# Altium PCB PCB20230301.PcbDoc (continued)
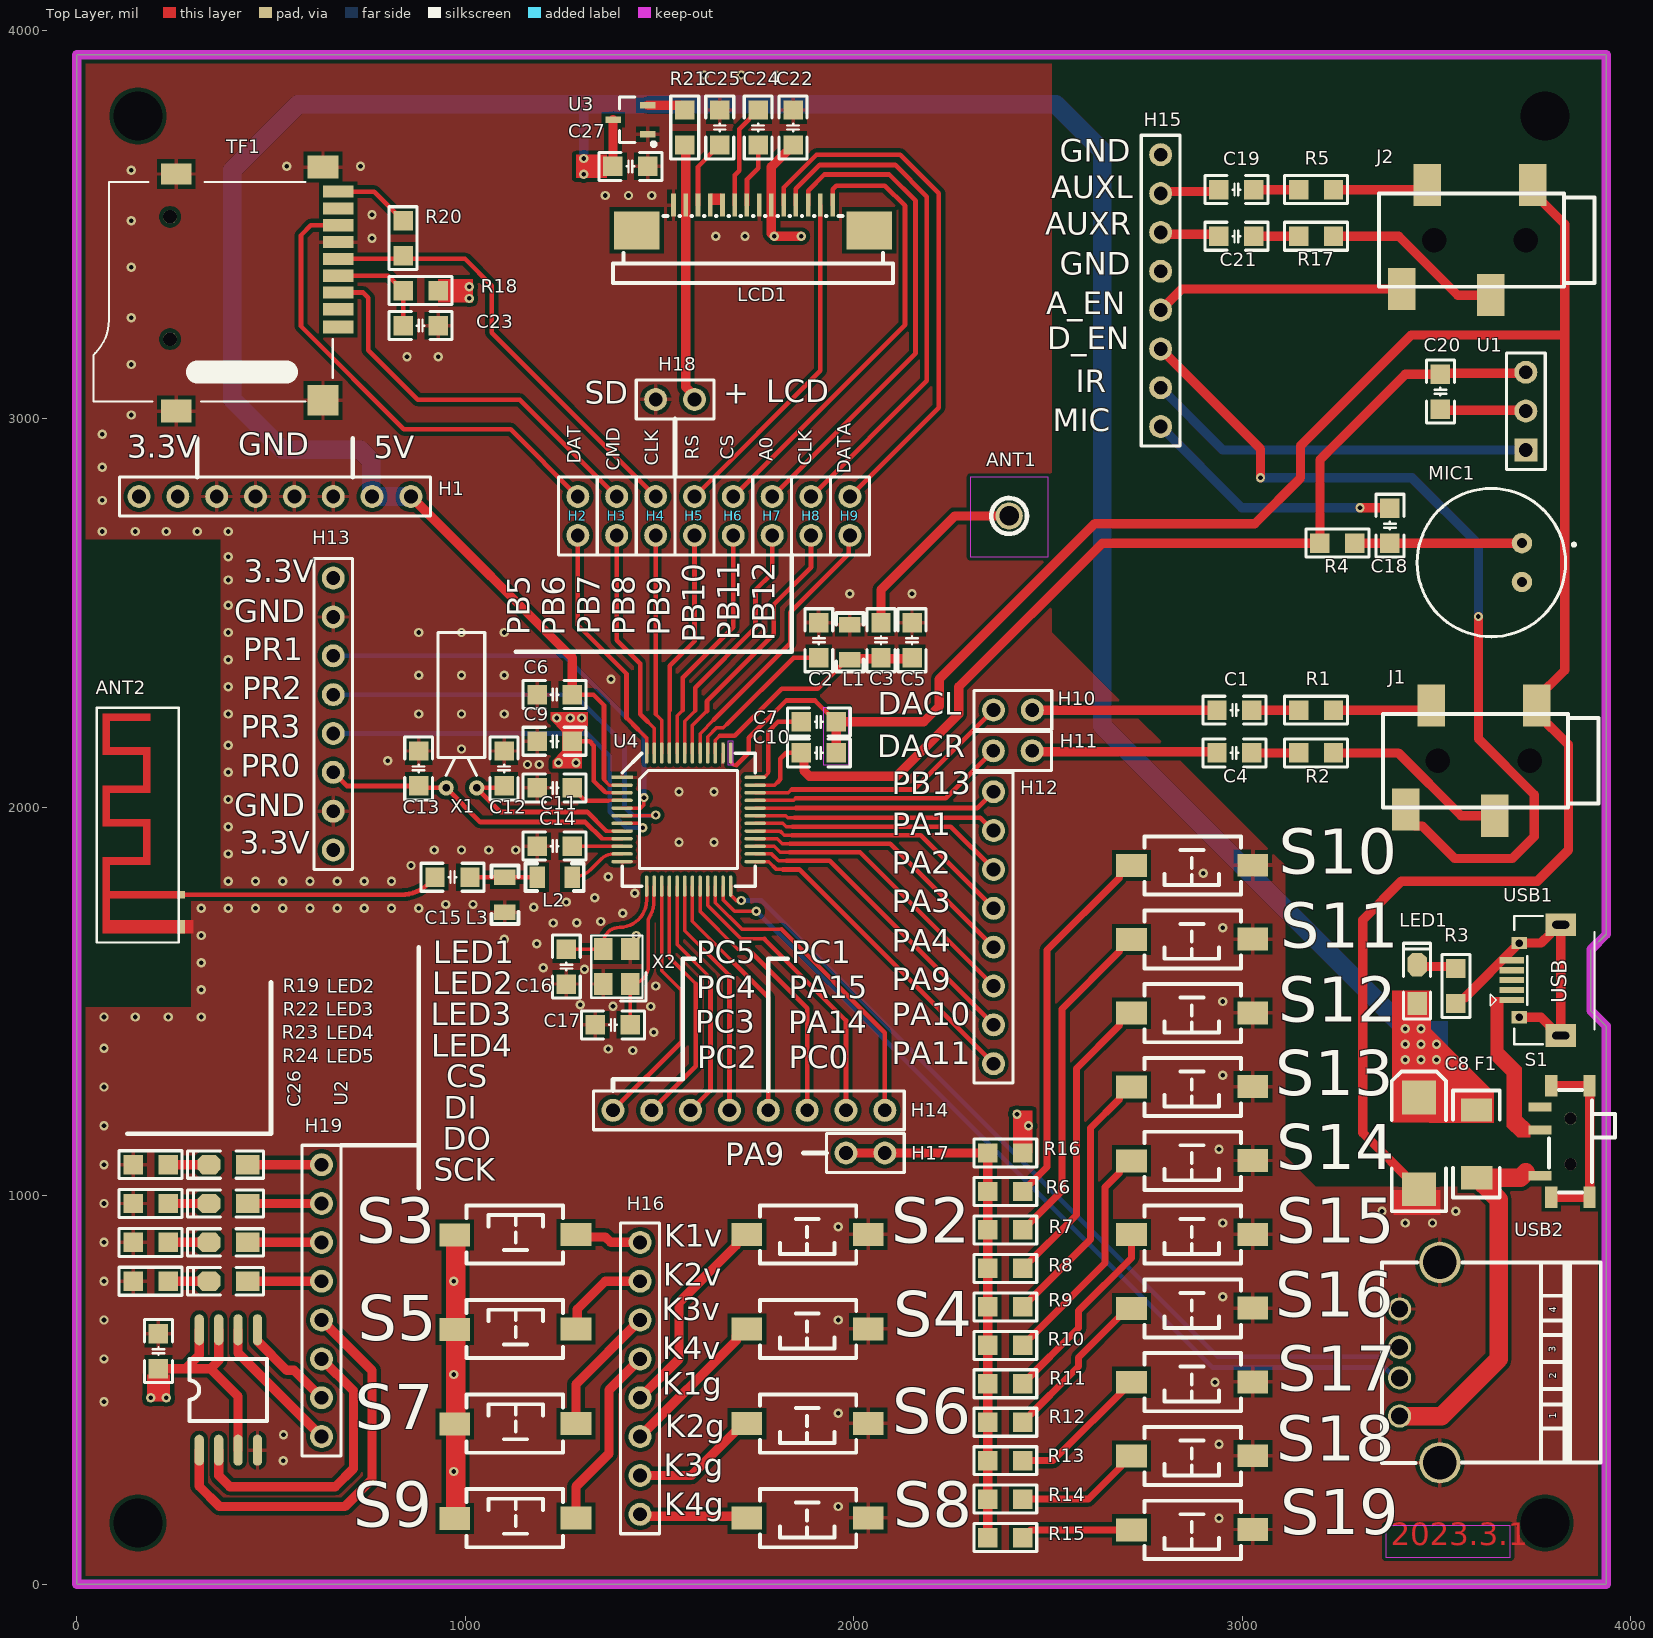
[diagram p0: Top Layer view]
## Components (designator, comment, footprint, x,y, rotation, side; value= is the part's Value field where it differs from the comment)
ANT1 "FM_ANT" FM_ANT 2400,2750 r90 top
ANT2 "BT_ANT" ANT-F-2-2.4G 268.98,1774.96 r90 top locked
C1 "106" "C 0805" 2980,2250 r0 top
C2 "105" "C 0805" 1910,2430 r270 top
C3 "102" "C 0805" 2070,2430 r90 top
C4 "106" "C 0805" 2980,2140 r0 top
C5 "24pF" "C 0805" 2150,2430 r90 top
C6 "105" "C 0805" 1230,2290 r180 top
C7 "105" "C 0805" 1910,2220 r0 top
C8 "10uF" CTan(6032) 3455,1135 r270 top
C9 "105" "C 0805" 1230,2170 r180 top
C10 "106" "C 0805" 1910,2140 r0 top
C11 "105" "C 0805" 1230,2050 r180 top
C12 "15pF" "C 0805" 1100,2100 r270 top
C13 "15pF" "C 0805" 880,2100 r270 top
C14 "105" "C 0805" 1230,1900 r0 top
C15 "2P7" "C 0805" 967,1820 r0 top
C16 "NC" "C 0805" 1260,1590 r270 top
C17 "NC" "C 0805" 1380,1440 r0 top
C18 "104" "C 0805" 3380,2725 r270 top
C19 "224" "C 0805" 2985,3590 r0 top
C20 "105" "C 0805" 3510,3070 r90 top
C21 "224" "C 0805" 2985,3470 r0 top
C22 "105" "C 0805" 1844,3750 r270 top
C23 "105" "C 0805" 885,3240 r180 top
C24 "105" "C 0805" 1754,3750 r90 top
C25 "105" "C 0805" 1655,3750 r270 top
C26 "105" "C 0805" 210,600 r270 top
C27 "104" "C 0805" 1425,3650 r180 top
F1 "FUSE" F1808 3603,1221 r270 top
H1 "HDR1X8" HDR1X8 860,2800 r180 top
H2 "HDR2X1" HDR2X1 1290,2700.38 r90 top
H3 "HDR2X1" HDR2X1 1390,2700.38 r90 top
H4 "HDR2X1" HDR2X1 1490.29,2700.38 r90 top
H5 "HDR2X1" HDR2X1 1590.29,2700.38 r90 top
H6 "HDR2X1" HDR2X1 1690,2700.38 r90 top
H7 "HDR2X1" HDR2X1 1790.29,2700.38 r90 top
H8 "HDR2X1" HDR2X1 1890.29,2700.38 r90 top
H9 "HDR2X1" HDR2X1 1990.29,2700.38 r90 top
H10 "HDR2X1" HDR2X1 2360,2250 r0 top
H11 "HDR2X1" HDR2X1 2359.69,2145 r0 top
H12 "HDR1X8" HDR1X8 2360,2040 r270 top
H13 "HDR1X8" HDR1X8 660,2590 r270 top
H14 "HDR1X8" HDR1X8 1380,1220 r0 top
H15 "HDR1X8" HDR1X8 2790,3680 r270 top
H16 "HDR1X8" HDR1X8 1450,880 r270 top
H17 "HDR2X1" HDR2X1 2079.62,1110.29 r180 top
H18 "HDR2X1" HDR2X1 1589.62,3050.29 r180 top
H19 "HDR1X8" HDR1X8 630,1080 r270 top
J1 "3.5mm" AUX-3.5 3740,2120 r180 top locked
J2 "3.5mm" AUX-3.5 3730,3460 r180 top locked
L1 "NC" "L 0805" 1990,2425 r270 top
L2 "0R" "L 0805" 1230,1820 r0 top
L3 "NC" "L 0805" 1102,1775 r270 top
LCD1 "LCD12864_ST7567" FPC-SMD_P0.80-14P 1945.47,3550 r180 top locked
LED1 "LED" "LED 0805B" 3450,1545 r90 top
LED2 "LED" "LED 0805B" 390,1080 r180 top
LED3 "LED" "LED 0805B" 390,980 r180 top
LED4 "LED" "LED 0805B" 390,880 r180 top
LED5 "LED" "LED 0805B" 390,780 r180 top
MIC1 "MIC" MIC 3720,2680 r0 top locked
R1 "10R" "R 0805" 3190,2250 r0 top
R2 "10R" "R 0805" 3190,2140 r0 top
R3 "5k1" "R 0805" 3550,1540 r90 top
R4 "6k8" "R 0805" 3245,2680 r0 top
R5 "10k" "R 0805" 3190,3590 r0 top
R6 "220k" "R 0805" 2390,1011 r180 top
R7 "100k" "R 0805" 2390,912 r180 top
R8 "51k" "R 0805" 2390,813 r180 top
R9 "33k" "R 0805" 2390,714 r180 top
R10 "24k" "R 0805" 2390,615 r180 top
R11 "15K" "R 0805" 2390,516 r180 top
R12 "9K1" "R 0805" 2390,417 r180 top
R13 "6k2" "R 0805" 2390,318 r180 top
R14 "3K" "R 0805" 2390,219 r180 top
R15 "0R" "R 0805" 2390,120 r180 top
R16 "22k" "R 0805" 2390,1110 r180 top
R17 "10k" "R 0805" 3190,3470 r0 top
R18 "4R7" "R 0805" 885,3330 r0 top
R19 "5k1" "R 0805" 190,1080 r0 top
R20 "3k3" "R 0805" 840,3465 r270 top
R21 "330" "R 0805" 1565,3750 r270 top
R22 "5k1" "R 0805" 190,980 r0 top
R23 "5k1" "R 0805" 190,880 r0 top
R24 "5k1" "R 0805" 190,780 r0 top
S1 "SW-SPDT" MSK-12C01-07 3845,1140 r90 top locked
S2 "SW-PB" "TSW SMD-3*6*2.5" 1880,900 r180 top
S3 "SW-PB" "TSW SMD-3*6*2.5" 1130,900 r0 top
S4 "SW-PB" "TSW SMD-3*6*2.5" 1880,656.67 r180 top
S5 "SW-PB" "TSW SMD-3*6*2.5" 1130,656.67 r0 top
S6 "SW-PB" "TSW SMD-3*6*2.5" 1880,413.33 r180 top
S7 "SW-PB" "TSW SMD-3*6*2.5" 1130,413.33 r0 top
S8 "SW-PB" "TSW SMD-3*6*2.5" 1880,170 r180 top
S9 "SW-PB" "TSW SMD-3*6*2.5" 1130,170 r0 top
S10 "SW-PB" "TSW SMD-3*6*2.5" 2870,1850 r180 top
S11 "SW-PB" "TSW SMD-3*6*2.5" 2870,1660 r180 top
S12 "SW-PB" "TSW SMD-3*6*2.5" 2870,1470 r180 top
S13 "SW-PB" "TSW SMD-3*6*2.5" 2870,1280 r180 top
S14 "SW-PB" "TSW SMD-3*6*2.5" 2870,1090 r180 top
S15 "SW-PB" "TSW SMD-3*6*2.5" 2870,900 r180 top
S16 "SW-PB" "TSW SMD-3*6*2.5" 2870,710 r180 top
S17 "SW-PB" "TSW SMD-3*6*2.5" 2870,520 r180 top
S18 "SW-PB" "TSW SMD-3*6*2.5" 2870,330 r180 top
S19 "SW-PB" "TSW SMD-3*6*2.5" 2870,140 r180 top
TF1 "TF" TF 673.07,3236.54 r90 top locked
U1 "IR" IR 3730,2920 r90 top locked
U2 "W25X10" SOIC8 390,500 r90 top
U3 "LDO" SOT23-3L 1425,3770 r90 top
U4 "AC6901" LQPF48 1574.8,1968.5 r0 top locked
USB1 "USBmirco" USB_micro 3820,1555 r90 top locked
USB2 "USBA" USB-A 3405,708.43 r90 top locked
X1 "32.678K" XTAL_3X8 990,2050 r0 top
X2 "24M" XTAL_3225-4P 1390,1590 r90 top
? "" "my Github" 2140,60 r180 bottom
? "" 萌娘百科_播音鸡蛋 2190,50 r0 top
? "" "OPEN SOURCE" 3250,3120 r180 bottom
? "" 好兄弟一辈子 3680,560 r0 top

## Footprints (in the part's own frame and the unit in brackets; to place one, negate y for a bottom-side part, rotate by r counter-clockwise, add the part's x,y. Pads: shape width x height; smd on the part's side, far side on the other; paste and mask are expansions set on the pad)
ANT-F-2-2.4G [mm]
  rect 0.5x0.5 smd: 1(0,0)
  rect 0.9x0.5 smd: 2(-2.1,0)
  rect 0.9x0.5 on Top Solder: 2(-2.1,0)
  rect 0.5x0.5 on Top Solder: ""(-2.3,4.9) ""(0,0) ""(0,4.4) ""(2.2,4.9) ""(2.2,2.26) ""(4.7,2.26) ""(4.7,4.9) ""(6.9,2.26) ""(6.9,4.9) ""(9.4,2.26) ""(9.4,4.9) ""(11.6,2.26) ""(11.6,4.9)
  Top Layer region: 7.15,2.01 7.15,5.15 6.65,5.15 6.65,2.01
  Top Layer region: 7.15,4.65 7.15,5.15 4.449,5.15 4.449,4.65
  Top Layer region: 4.95,2.01 4.95,5.15 4.449,5.15 4.449,2.01
  Top Layer region: 4.952,2.01 4.952,2.51 1.952,2.51 1.952,2.01
  Top Layer region: -1.65,-0.25 -1.65,5.15 -2.549,5.15 -2.549,-0.25
  Top Layer region: 0.25,0.092 0.25,4.9 -0.251,4.9 -0.251,0.092
  Top Layer region: 2.45,2.01 2.45,5.15 1.95,5.15 1.95,2.01
  Top Layer region: 9.65,2.01 9.65,5.15 9.15,5.15 9.15,2.01
  Top Layer region: 6.949,2.51 6.949,2.01 9.65,2.01 9.65,2.51
  Top Layer region: 11.85,4.651 11.85,5.15 9.15,5.15 9.15,4.651
  Top Layer region: 11.85,2.01 11.85,5.15 11.35,5.15 11.35,2.01
  Top Layer lines w0.5: -2.3,4.9 2.2,4.9
  silkscreen extent -3.12,0.18 12.23,5.53
AUX-3.5 [mm]
  rect 1.8x2.75 smd: 1(-0.45,-3.6) 2(6.45,-3.6) 3(2.3,3.6) 4(8.1,3.2)
  round 1 hole 1.6 unplated: ""(0,0) ""(6,0)
  silkscreen extent -4.5,-3.05 9.6,3.05, body extent -3.67,-3.46 8.3,3.88, height 4.06
"C 0805" [mil] "无极性贴片电容"
  rect 50x50 smd: 1(-45,0) 2(45,0)
  silkscreen extent -81,-36 81,36, body extent -39,-24 39,24, height 20
CTan(6032) [mm] "长6.0mm，宽3.2mm，厚2.5mm"
  rect 2.2x2.2 smd: 1(-3,0) 2(3,0)
  silkscreen extent -4.7,-1.78 4.44,1.78, body extent -3,-1.6 3,1.6, height 2.5
F1808 [mil]
  rect 60x80 smd: 1(0,0) 2(174.88,0.76)
  silkscreen extent -50,-60 225,60, body extent -3,-37 175,39, height 39
FM_ANT [mil]
  round 70 hole 50: 1(0,0)
  silkscreen extent -46,-46 46,46
FPC-SMD_P0.80-14P [mm]
  rect 0.3x1.5 smd mask+0.051: 1(0,0) 2(0.8,0) 3(1.6,0) 4(2.4,0) 5(3.2,0) 6(4,0) 7(4.8,0) 8(5.6,0) 9(6.4,0) 10(7.2,0) 11(8,0) 12(8.8,0) 13(9.6,0) 14(10.4,0)
  rect 3x2.5 smd mask+0.051: 15(12.802,1.65) 16(-2.398,1.65)
  silkscreen extent -3.95,0.69 14.35,5.09, body extent -1.5,0.2 11.9,2.97, height 1.84
HDR1X8 [mm]
  round 1.5 hole 0.9: 1(0,0) 2(2.54,0) 3(5.08,0) 4(7.62,0) 5(10.16,0) 6(12.7,0) 7(15.24,0) 8(17.78,0)
  silkscreen extent -1.27,-1.27 19.05,1.27, body extent -1.27,-1.27 19.05,1.27, height 8.54
HDR2X1 [mm]
  round 1.5 hole 0.9: 1(-0.01,0.007) 2(2.53,0.007)
  silkscreen extent -1.28,-1.26 3.8,1.28, body extent -1.28,-1.26 3.8,1.28, height 8.41
IR [mm]
  rect 1.5x1.5 hole 0.9: 1(0,0)
  round 1.5 hole 0.9: 2(2.54,0) 3(5.08,0)
  silkscreen extent -1.27,-1.27 6.35,1.27, body extent -0.49,-4 5.51,3.79, height 10.48
"L 0805" [mil] "小功率贴片电感"
  rect 40x55 smd: 1(-45,0) 2(45,0)
  silkscreen extent -75,-35 75,35, body extent -39,-24 39,24, height 35
"LED 0805B" [mil] "蓝色0805LED                                    淘宝ID:黄晶宝石"
  rect 60x50 smd: 1(-50,0)
  oct 60x50 smd: 2(50,0)
  silkscreen extent -90,-35 105,35, body extent -39,-25 39,25, height 32
LQPF48 [mm]
  rect 1.4x0.229 smd mask+0.051: 1(-4.35,2.75)
  oval 1.4x0.229 smd mask+0.051: 2(-4.35,2.25) 3(-4.35,1.75) 4(-4.35,1.25) 5(-4.35,0.75) 6(-4.35,0.25) 7(-4.35,-0.25) 8(-4.35,-0.75) 9(-4.35,-1.25) 10(-4.35,-1.75) 11(-4.35,-2.25) 12(-4.35,-2.75) 25(4.35,-2.75) 26(4.35,-2.25) 27(4.35,-1.75) 28(4.35,-1.25) 29(4.35,-0.75) 30(4.35,-0.25) 31(4.35,0.25) 32(4.35,0.75) 33(4.35,1.25) 34(4.35,1.75) 35(4.35,2.25) 36(4.35,2.75)
  oval 0.229x1.4 smd mask+0.051: 13(-2.75,-4.35) 14(-2.25,-4.35) 15(-1.75,-4.35) 16(-1.25,-4.35) 17(-0.75,-4.35) 18(-0.25,-4.35) 19(0.25,-4.35) 20(0.75,-4.35) 21(1.25,-4.35) 22(1.75,-4.35) 23(2.25,-4.35) 24(2.75,-4.35) 37(2.75,4.35) 38(2.25,4.35) 39(1.75,4.35) 40(1.25,4.35) 41(0.75,4.35) 42(0.25,4.35) 43(-0.25,4.35) 44(-0.75,4.35) 45(-1.25,4.35) 46(-1.75,4.35) 47(-2.25,4.35) 48(-2.75,4.35)
  silkscreen extent -4.35,-4.35 4.35,4.35, body extent -4.48,-4.51 4.53,4.51, height 1.1
MIC [mm]
  round 1.333 hole 0.65: 1(0,0) 2(0,-2.54)
  silkscreen extent -6.85,-6.12 3.5,3.58, body extent -6.87,-6.08 2.83,3.62, height 4.86
MSK-12C01-07 [mm] "拨动开关6.7*2.8*1.5mm(长宽高）"
  rect 1.4x0.8 smd: 0(-3.65,-1.25) 0(-3.65,1.25) 0(3.65,-1.25) 0(3.65,1.25)
  rect 0.6x1.5 smd: 1(-2.25,1.996) 2(0.75,1.996) 3(2.25,1.996)
  round 0.8 hole 0.8 unplated: " "(-1.5,0) " "(1.5,0)
  silkscreen extent -3.35,-2.92 3.35,1.4, body extent -3.92,-2.9 3.92,2.4, height 1.5
"my Github" [mil]
  silkscreen extent 5,5 595,596
"OPEN SOURCE" [mil]
  silkscreen extent -271,-168 289,224
"R 0805" [mil] "1/8W贴片电阻"
  rect 50x50 smd: 1(-45,0) 2(45,0)
  silkscreen extent -81,-36 81,36, body extent -39,-25 39,25, height 20
SOIC8 [mil]
  oval 80x24 smd: 1(-155,75) 2(-155,25) 3(-155,-25) 4(-155,-75) 5(155,-75) 6(155,-25) 7(155,25) 8(155,75)
  silkscreen extent -80,-100 80,100, body extent -167,-106 163,106, height 91
SOT23-3L [mm] "3x1.3x1mm(长宽高)"
  rect 0.45x1 smd: 1(-0.95,-1.143) 2(0.95,-1.143) 3(0,1.125)
  silkscreen extent -1.72,-1.65 1.5,0.7, body extent -1.5,-1.2 1.5,1.2, height 1.05
TF [mm]
  round 0.9 hole 0.9 unplated: 0(-0.8,11) 0(7.2,11)
  rect 0.85x2 smd: 1(0,0)
  rect 0.8x2 smd: 2(1.15,0) 3(2.25,0) 4(3.35,0) 5(4.45,0) 6(5.55,0) 7(6.65,0) 8(7.75,0) 9(8.85,0)
  rect 1.5x2 smd: 10(-5.5,10.6) 12(10.45,1)
  rect 2x2 smd: 11(-4.8,1)
  rect 1.4x2 smd: 13(10,10.6)
  silkscreen extent -4.87,0.36 9.49,16, body extent -5.85,0 10.25,15, height 1.85
"TSW SMD-3*6*2.5" [mm] "3*6*2.5mm"
  rect 2x1.5 smd: 1(-3.996,-0.02) 2(3.937,0)
  silkscreen extent -3.21,-1.9 3.09,1.9, body extent -4,-1.88 4,1.62, height 2.59
USB-A [mm]
  round 1.524 hole 1.1: 1(-7,0) 2(-4.5,0) 3(-2.5,0) 4(0,0)
  round 2.7 hole 2.2: 5(-10.05,-2.635) 5(3.05,-2.635)
  silkscreen extent -10.08,-13.16 3.05,1.14, body extent -11.2,-12.98 4.6,1.18, height 2.2
USB_micro [mm] "micro型USB ，5.7*7.8*2.5mm"
  rect 0.4x1.6 smd mask+0.102: 1(-1.3,3.2) 2(-0.65,3.2) 3(0,3.2) 4(0.65,3.2) 5(1.3,3.2)
  rect 1.5x2 hole 0.5 slot 1.1 at 90 deg: 5(-3.625,0) 5(3.625,0)
  rect 0.8x1 hole 0.5: 5(-2.425,2.71) 5(2.425,2.71)
  silkscreen extent -4.19,-2.2 4.19,4.6, body extent -4,-2.71 4,2.89, height 2.8
XTAL_3X8 [mm] "脚距：2mm"
  round 1 hole 0.5: 1(1,0) 2(-1,0)
  silkscreen extent -1.52,0.8 1.52,10.16, body extent -1.5,-0.18 1.5,10, height 3.03
XTAL_3225-4P [mil] "3.2*2.5*0.7mm(长宽高)"
  rect 56x48 smd: 1(-45,-35) 2(45,-35) 3(45,35) 4(-45,35)
  silkscreen extent -89,-75 80,66, body extent -63,-49 63,49, height 28
好兄弟一辈子 [mil]
萌娘百科_播音鸡蛋 [mil]

## Part data
C1 C2 C3 C4 C5 C6 C7 C9 C10 C11 C12 C13 C14 C15 C16 C17 C18 C19 C20 C21 C22 C23 C24 C25 C26 C27: library part CAP-MLCC
C8: library part CAP-ALE
J1 J2: library part 立体声插头
L1 L2 L3: library part INDUCTOR
R1 R2 R3 R4 R5 R6 R7 R8 R9 R10 R11 R12 R13 R14 R15 R16 R17 R18 R19 R20 R21 R22 R23 R24: library part RES
X1: library part XTAL_3X8
X2: library part XTAL_3325-4
S1: ComponentLink1Description="Manufacturer Link", ComponentLink1URL=http://www.apem.com, DatasheetDocument=05-Dec-2000, LatestRevisionDate=17-Dec-2003, LatestRevisionNote="Schematic revised, PCB Footprint replaced.", PackageReference=TL36WW15050, Published=24-Mar-1999, Publisher="Altium Limited"
S2 S3 S4 S5 S6 S7 S8 S9 S10 S11 S12 S13 S14 S15 S16 S17 S18 S19: LatestRevisionDate=17-Jul-2002, LatestRevisionNote="Re-released for DXP Platform.", PackageReference=SPST-2, Published=24-Mar-1999, Publisher="Altium Limited"

## Free pads (board coordinates)
  round 0 hole 125.98 unplated: 0(157.48,157.48) 1(3779.53,157.48) 2(3779.53,3779.53) 3(157.48,3779.53)

## Via types
v1: diameter 24, hole 12, Top Layer to Bottom Layer, tented both sides, 175 vias

## Nets (pads, with @x,y where several pads share a name; then routed paths per layer and width w, separated by ;. In a path a pad name is that pad's centre, name@x,y a point inside that pad or via, vN(x,y) a via of type N, cw(c..) or ccw(c..) an arc to the next point about the centre after c; other vN are vias at no path point)
AUXEN: H15.5 J2.4 | length 662.2
  Top Layer w24: H15.5 2844.02,3334.02 J2.4 J2.4@3411.1,3315.31
AUXL: C19.1 H15.2 | length 154.1
  Top Layer w24: H15.2 2795,3585 2935,3585 C19.1
AUXR: C21.1 H15.3 | length 154.1
  Top Layer w24: H15.3 2795,3475 2935,3475 C21.1
DACEN: H15.6 J1.4 | length 2299.6
  Top Layer w24: H15.6 3047,2923 v1(3047,2848) ; J1.4 3421.1,1975.31 3444.54,1951.88 3463.24,1951.88 3547.12,1868 3695,1868 3752,1925 3752,2032.35 3608,2176.35 v1(3608,2491)
  Bottom Layer w24: v1(3047,2848) 3437,2848 3608,2677 v1(3608,2491)
DACL: C1.1 H10.2 | length 475.5
  Top Layer w24: H10.2 2459.77,2250.15 2934.85,2250.15 C1.1
DACR: C4.1 H11.2 | length 477.9
  Top Layer w24: H11.2 2461.95,2142.65 2932.35,2142.65 C4.1
DACVDD: C10.1 C20.2 R4.1 U1.3 U4.35 | length 2694.7
  Top Layer w9: U4.35 1796.09,2057.09 1804,2065
  Top Layer w12: 1804,2065 1811,2072 1811,2125 1826,2140 C10.1
  Top Layer w24: C10.1 1871.97,2133.03 1871.97,2094.06 1886.03,2080 2110,2080 2270,2240 2270,2310 2640,2680 R4.1 3200,2895 3420,3115 C20.2 3512.5,3117.5 3727.5,3117.5 U1.3
GND: ANT2.2@268.98,1692.28 C2.1 C5.2 C6.2 C7.2 C8.2 C9.2 C10.2 C11.2 C12.1 C13.1 C14.1 C16.2 C17.1 C20.1 C22.1 C23.1 C25.1 C26.1 C27.1 H1.3 H1.4 H1.5 H1.6 H13.2 H13.7 H15.1 H15.4 H18.2 J1.1 J2.1 L1.1 L3.2 LCD1.7 LCD1.14 MIC1.2 R3.1 R19.1 R22.1 R23.1 R24.1 S2.1 S4.1 S6.1 S8.1 S10.1 S11.1 S12.1 S13.1 S14.1 S15.1 S16.1 S17.1 S18.1 S19.1 TF1.6 TF1.10 TF1.11 TF1.12 TF1.13 U1.2 U2.4 U3.1 U4.1 U4.12 U4.37 U4.38 USB1.4 USB1.5 USB2.4 USB2.5 X2.2 X2.4 | length 7035.2
  Top Layer w9: U4.37 1683.07,2116.7 1691.75,2108.03 1698.03,2108.03
  Top Layer w12: 1698.03,2108.03 1730,2140 1730,2178.89 1826.11,2275 1900,2275 C7.2
  Top Layer w24: C10.2 C7.2 2180,2220 2220,2260 2220,2330 2620,2730 3032,2730 3150,2848 3150,2931 3435,3216 3830,3216 ; C8.2 3310,1161.89 3310,1710 3410,1810 3760,1810 3840,1890 3840,2160.75 3757.72,2243.03 J1.1 3757.72,2280.43 3830,2352.72 3830,3216 ; C20.1 3512.5,3022.5 3727.5,3022.5 U1.2 ; R3.1 3563,1508 3570.83,1508 3705.62,1642.79 3705.62,1646.72 3709.37,1650.47 3713.31,1650.47 3768.99,1650.47 3792.63,1674.11 3792.63,1680.19 3810.16,1697.72 3820,1697.72 3820,1412.28 3810.16,1412.28 3792.63,1429.81 3792.63,1435.89 3768.99,1459.53 USB1.5@3713.31,1459.53 ; J2.1 3747.72,3583.03 3830,3500.75 3830,3216
  other v1: 2940,170 1960,200 531,318 2940,360 532,385 1960,440 70,470 2930,520 70,580 70,680 1960,680 2950,740 70,780 70,880 1960,920 2950,930 3420,930 3490,930 3360,960 3550,960 70,980 70,1080 2940,1120 70,1180 70,1280 2950,1310 1431,1374 1368,1378 70,1380 1485,1421 70,1460 150,1460 235,1460 320,1460 1477,1487 1380,1488 1296,1492 2950,1500 320,1530 1490,1540 1307,1583 1201,1587 320,1600 1184,1649 1100,1660 320,1670 1440,1670 2950,1690 1226,1702 1287,1703 1349,1706 1405,1727 320,1740 390,1740 460,1740 530,1740 600,1740 670,1740 740,1740 810,1740 880,1740 1176,1743 950,1750 1020,1750 1260,1756 1333,1767 1436,1779 390,1810 460,1810 530,1810 600,1810 670,1810 740,1810 810,1810 1368,1821 2900,1830 860,1850 390,1880 920,1890 990,1890 1060,1890 1130,1890 1550,1910 1640,1910 390,1950 390,2020 1550,2040 1640,2040 390,2090 1160,2110 1190,2110 800,2120 990,2150 390,2160 390,2240 880,2240 990,2240 1100,2240 390,2310 1375,2330 880,2340 990,2340 1100,2340 390,2380 390,2450 880,2450 990,2450 1100,2450 390,2520 1990,2550 2150,2550 390,2585 390,2645 65,2710 150,2710 230,2710 310,2710 390,2710 65,2790 65,2875 65,2960 140,3010 140,3140 850,3160 930,3160 140,3260 140,3390 760,3465 1645,3470 1720,3470 140,3510 760,3525 1360,3575 1420,3575 1480,3575 140,3640 540,3650 730,3650 1615,3885 1710,3885 1800,3885
IR: H15.7 U1.1 | length 1006.3
  Bottom Layer w24: H15.7 2950,2920 U1.1
K1g: H16.5 S2.2 | length 539.7
  Top Layer w24: H16.5 1550,580 1550,725 1697.63,872.63 1697.63,882.47 1715.16,900 S2.2
K1v: H16.1 S3.2 | length 173.3
  Top Layer w24: S3.2 1291.05,893.95 1360.37,893.95 1374.32,880 H16.1
K2g: H16.6 S4.2 | length 396.3
  Top Layer w24: H16.6 1697.63,627.63 1697.63,639.14 1715.16,656.67 S4.2
K2v: H16.2 S5.2 | length 244.4
  Top Layer w24: S5.2 1288.14,659.8 1288.14,708.14 1360,780 H16.2
K3g: H16.7 S6.2 | length 330.2
  Top Layer w24: H16.7 1581.82,280 1715.16,413.33 S6.2
K3v: H16.3 S7.2 | length 335
  Top Layer w24: S7.2 1285,515 H16.3
K4g: H16.8 S8.2 | length 279.1
  Top Layer w24: H16.8 1455,175 1720,175 S8.2
K4v: H16.4 S9.2 | length 478.3
  Top Layer w24: S9.2 1285,251.26 1370,336.26 1370,500 H16.4
LCD_A0: H7.2 LCD1.3 | length 1273.2
  Top Layer w12: H7.2 2159,3169 2159,3561 2091,3629 1924,3629 1882.48,3587.48 LCD1.3
LCD_CLK: H8.2 LCD1.4 | length 1333.7
  Top Layer w12: LCD1.4 1850.99,3591.99 1912.52,3653.52 2106.48,3653.52 2188,3572 2188,3098 H8.2
LCD_CS: H6.2 LCD1.1 | length 1183.7
  Top Layer w12: H6.2 2132,3242.29 2132,3548 2080,3600 1955,3600 1945.47,3590.47 LCD1.1
LCD_DATA: H9.2 LCD1.5 | length 1396.9
  Top Layer w12: LCD1.5 1819.49,3595.49 1904,3680 2120,3680 2219,3581 2219,3029 H9.2
LCD_RS: H5.2 LCD1.2 | length 884.2
  Top Layer w12: H5.2 1913.98,3123.98 LCD1.2
LDO_IN: C6.1 C8.1 C27.2 F1.1 H1.1 H1.2 LED1.1 U3.3 U4.2 | length 7525.7
  Top Layer w9: 1357,2070.75 1370.66,2057.09 U4.2
  Top Layer w12: C6.1 1330,2290 1357,2263 1357,2074
  Top Layer w24: H1.1 1275,2385 C6.1 ; C27.2 1380.35,3650.35 1380.35,3769.65 U3.3
  Bottom Layer w24: v1(1305,3630) v1(1305,3670) 1305,3810 1305,3815
  Bottom Layer w48: H1.1 765.11,2800 763.61,2801.5 761.5,2801.5 757.88,2805.11 757.88,2891.88 729.77,2920 530,2920 400,3050 400,3640 570,3810 1305,3810 2520,3810 2640,3690 2640,2210 v1(3420,1430) v1(3460,1390)
  other v1: 3420,1350 3460,1350 3500,1350 3420,1390 3500,1390 3460,1430
LED1: H19.1 LED2.1 | length 190
  Top Layer w24: LED2.1 H19.1
LED2: H19.2 LED3.1 | length 190
  Top Layer w24: LED3.1 H19.2
LED3: H19.3 LED4.1 | length 190
  Top Layer w24: LED4.1 H19.3
LED4: H19.4 LED5.1 | length 190
  Top Layer w24: LED5.1 H19.4
MIC+: C18.1 H15.8 | length 677
  Top Layer w24: v1(3303,2771) 3379,2771 C18.1
  Bottom Layer w24: H15.8 2999,2771 v1(3303,2771)
NetANT1_1: ANT1.1 C3.2 | length 493.7
  Top Layer w24: C3.2 2070,2560 2260,2750 ANT1.1
NetANT2_1: ANT2.1 C15.1 | length 667.4
  Top Layer w12: ANT2.1 835.54,1774.96 ccw(c835.54,1874.96) 906.25,1804.25 C15.1
NetC1_2: C1.2 R1.1 | length 120
  Top Layer w24: C1.2 R1.1
NetC2_2: C2.2 U4.40 | length 412.3
  Top Layer w9: U4.40 1624.02,2182.01 1646.51,2204.5 1664.5,2204.5 1675,2215
  Top Layer w12: 1675,2215 1845,2385 C2.2
NetC3_1: C3.1 C5.1 L1.2 U4.39 | length 627.2
  Top Layer w9: U4.39 1643.7,2172.7 1655,2184
  Top Layer w12: 1655,2184 1694,2184 1815,2305 1907.5,2305 1982.5,2380 L1.2
  Top Layer w24: L1.2 1992.5,2382.5 2070,2382.5 2147.5,2382.5 C5.1
NetC4_2: C4.2 R2.1 | length 120
  Top Layer w24: C4.2 R2.1
NetC12_2: C12.2 U4.8 X1.1 | length 493.7
  Top Layer w9: 1363,1939.79 1363.82,1938.98 U4.8
  Top Layer w12: C12.2 1095,2050 X1.1 1029.37,2048.57 1089.94,1988 1313.98,1988 1362.18,1939.79 1363,1939.79
NetC14_2: C14.2 U4.10 | length 128.7
  Top Layer w9: C14.2 1275.39,1899.61 U4.10
NetC15_2: C15.2 L2.1 L3.1 | length 173
  Top Layer w12: C15.2 L3.1 L2.1
NetC16_1: C16.1 U4.13 X2.3 | length 320.9
  Top Layer w9: C16.1 X2.3 1355,1649 cw(c1397,1649) 1397,1691 ccw(c1397,1760.54) 1466.54,1760.54 U4.13
NetC17_2: C17.2 U4.14 X2.1 | length 386.3
  Top Layer w9: C17.2 X2.1 ccw(c1425,1591) 1471,1591 1471,1709.35 cw(c1480,1709.31) 1472.33,1714.01 ccw(c1397,1760.54) 1485.54,1760.54 1485.54,1793.8 cw(c1494.54,1793.8) U4.14
NetC18_2: C18.2 MIC1.1 R4.2 | length 430
  Top Layer w24: R4.2 C18.2 MIC1.1
NetC19_2: C19.2 R5.1 | length 115
  Top Layer w24: C19.2 R5.1
NetC21_2: C21.2 R17.1 | length 115
  Top Layer w24: C21.2 R17.1
NetC23_2: C23.2 R18.1 TF1.4 | length 272.8
  Top Layer w12: TF1.4 801.57,3368.43 R18.1 C23.2
NetC24_1: C24.1 LCD1.8 | length 167
  Top Layer w12: LCD1.8 1725,3616 1754,3645 C24.1
NetC24_2: C24.2 LCD1.9 | length 270.1
  Top Layer w12: LCD1.9 1693.51,3627.51 1705,3639 1705,3746 C24.2
NetC25_2: C25.2 LCD1.12 | length 178.2
  Top Layer w12: LCD1.12 1599.02,3649.02 1636,3686 C25.2
NetF1_2: F1.2 S1.1 USB2.1 | length 933.2
  Top Layer w48: USB2.1 3512.83,432.83 3660,580 3660,989.88 3619.76,1030.12 3619.76,1040.12 F1.2@3613.76,1046.12 ; F1.2 F1.2@3613.76,1046.12 ; 3730,1060 3716.12,1046.12 F1.2@3613.76,1046.12
NetH2_1: H2.1 U4.48 | length 633.5
  Top Layer w9: 1445,2200 1466.54,2178.46 U4.48
  Top Layer w12: H2.1 1289.71,2469.29 1415,2344 1415,2230 1445,2200
NetH3_1: H3.1 U4.47 | length 600.2
  Top Layer w9: 1470,2220 1486.22,2203.78 U4.47
  Top Layer w12: H3.1 1389.71,2430.29 1450,2370 1450,2240 1470,2220
NetH4_1: H4.1 U4.46 | length 566.8
  Top Layer w9: 1490,2240 1505.91,2224.09 U4.46
  Top Layer w12: 1490,2240 H4.1
NetH5_1: H5.1 U4.45 | length 586.9
  Top Layer w9: U4.45 1525.59,2249.59 1526,2250
  Top Layer w12: 1526,2250 1526,2364 1590,2428 H5.1
NetH6_1: H6.1 U4.44 | length 620.1
  Top Layer w9: U4.44 1545.28,2235.28 1560,2250
  Top Layer w12: 1560,2250 1560,2334 1689.71,2463.71 H6.1
NetH7_1: H7.1 U4.43 | length 653.5
  Top Layer w9: U4.43 1564.96,2221.96 1592,2249
  Top Layer w12: 1592,2249 1592,2308 1747,2463 1747,2560 1790,2603 H7.1
NetH8_1: H8.1 U4.42 | length 686.7
  Top Layer w9: U4.42 1584.65,2210.65 1622,2248
  Top Layer w12: 1622,2248 1622,2273 1794,2445 1794,2522 1890,2618 H8.1
NetH9_1: H9.1 U4.41 | length 720
  Top Layer w9: U4.41 1604.33,2189.33 1640,2225
  Top Layer w12: 1640,2225 1837,2422 1837,2502 1987.47,2652.47 1987.47,2697.47 H9.1
NetH10_1: H10.1 U4.34 | length 701.7
  Top Layer w9: U4.34 1831.4,2037.4 1840,2046
  Top Layer w12: 1840,2046 2155.33,2046 H10.1
NetH11_1: H11.1 U4.33 | length 666.1
  Top Layer w9: U4.33 1845.1,2017.72 1850.38,2023
  Top Layer w12: 1850.38,2023 2237.02,2023 H11.1
NetH12_1: H12.1 U4.32 | length 631.3
  Top Layer w9: U4.32 1851.03,1998.03
  Top Layer w12: 1851.03,1998.03 2318.03,1998.03 H12.1
NetH12_2: H12.2 U4.31 | length 629.8
  Top Layer w9: U4.31 1824.65,1978.35 1830,1973 1847,1973 ; 2325.59,1973 2325.69,1972.9
  Top Layer w12: 1847,1973 2325.59,1973 ; 2325.69,1972.9 2358.59,1940 H12.2
NetH12_3: H12.3 U4.30 | length 663.1
  Top Layer w9: U4.30 1817.34,1958.66 1826,1950 1842,1950
  Top Layer w12: 1842,1950 2250,1950 H12.3
NetH12_4: H12.4 U4.29 | length 696.4
  Top Layer w9: U4.29 1810.02,1938.98 1821,1928 1840,1928
  Top Layer w12: 1840,1928 2172,1928 H12.4
NetH12_5: H12.5 U4.28 | length 729.6
  Top Layer w9: U4.28 1802.71,1919.29 1816,1906 1835,1906
  Top Layer w12: 1835,1906 2094,1906 H12.5
NetH12_6: H12.6 U4.27 | length 762.9
  Top Layer w9: U4.27 1795.52,1899.61 1811.13,1884 1834,1884
  Top Layer w12: 1834,1884 2016,1884 H12.6
NetH12_7: H12.7 U4.26 | length 796.2
  Top Layer w9: U4.26 1788.34,1879.92 1806.26,1862 1827,1862
  Top Layer w12: 1827,1862 1938,1862 H12.7
NetH12_8: H12.8 U4.25 | length 829.4
  Top Layer w9: U4.25 1780.76,1860.24 1801,1840 1818,1840
  Top Layer w12: 1818,1840 1860,1840 H12.8
NetH14_1: H14.1 U4.15 | length 671.7
  Top Layer w9: U4.15 1505.91,1579.09 1557,1528
  Top Layer w12: H14.1 1557,1397 1557,1528
NetH14_2: H14.2 U4.16 | length 652
  Top Layer w9: U4.16 1525.59,1613.41 1593,1546
  Top Layer w12: H14.2 1593,1333 1593,1546
NetH14_3: H14.3 U4.17 | length 633.9
  Top Layer w9: U4.17 1545.28,1646.72 1631,1561
  Top Layer w12: H14.3 1631,1271 1631,1561
NetH14_4: H14.4 U4.18 | length 624.9
  Top Layer w9: U4.18 1564.96,1682.04 1680,1567
  Top Layer w12: H14.4 1680,1567
NetH14_5: H14.5 U4.19 | length 658.2
  Top Layer w9: U4.19 1584.65,1706.35 1685,1606
  Top Layer w12: 1685,1606 1780,1511 H14.5
NetH14_6: H14.6 U4.20 | length 707.2
  Top Layer w9: U4.20 1604.33,1731.67 1701,1635 1728,1635
  Top Layer w12: 1728,1635 1880,1483 H14.6
NetH14_7: H14.7 U4.21 | length 759.7
  Top Layer w9: U4.21 1624.02,1747.24 1710.26,1661 1770,1661
  Top Layer w12: 1770,1661 1980,1451 H14.7
NetH14_8: H14.8 U4.22 | length 817.6
  Top Layer w9: U4.22 1643.7,1754.43 1712.13,1686 1814,1686
  Top Layer w12: 1814,1686 2080,1420 H14.8
NetH18_1: H18.1 LCD1.13 R21.2 | length 665.4
  Top Layer w12: R21.2 R21.2@1567.52,3702.48
  Top Layer w24: R21.2@1567.52,3702.48 1567.52,3081.97 1590,3059.49 H18.1
NetJ1_2: J1.2 R1.2 | length 255.9
  Top Layer w24: R1.2 3474.33,2250 J1.2
NetJ1_3: J1.3 R2.2 | length 481.4
  Top Layer w24: R2.2 3402,2140 3563.73,1978.27 J1.3
NetJ2_2: J2.2 R5.2 | length 245.9
  Top Layer w24: R5.2 3464.33,3590 J2.2
NetJ2_3: J2.3 R17.2 | length 467.3
  Top Layer w24: R17.2 3403,3470 3554.73,3318.27 J2.3
NetL2_2: L2.2 U4.11 | length 148.6
  Top Layer w9: L2.2 ccw(c1275,1887.6) 1322.8,1839.8 1350,1867 cw(c1381.19,1835.81) 1381.19,1879.92 U4.11
NetLED1_2: LED1.2 R3.2 | length 104.1
  Top Layer w24: LED1.2 3455,1590 3545,1590 R3.2
NetLED2_2: LED2.2 R19.2 | length 105
  Top Layer w24: R19.2 LED2.2
NetLED3_2: LED3.2 R22.2 | length 105
  Top Layer w24: R22.2 LED3.2
NetLED4_2: LED4.2 R23.2 | length 105
  Top Layer w24: R23.2 LED4.2
NetLED5_2: LED5.2 R24.2 | length 105
  Top Layer w24: R24.2 LED5.2
NetR6_1: R6.1 S10.2 | length 960.7
  Top Layer w18: R6.1 2497.54,1073.54 2497.54,1632.54 2684.63,1819.63 2684.63,1829.47 2705.16,1850 S10.2
NetR7_1: R7.1 S11.2 | length 869.7
  Top Layer w18: R7.1 2536,1013 2536,1481 2684.63,1629.63 2684.63,1639.47 2705.16,1660 S11.2
NetR8_1: R8.1 S12.2 | length 778.7
  Top Layer w18: R8.1 2573,951 2573,1328 2684.63,1439.63 2684.63,1449.47 2705.16,1470 S12.2
NetR9_1: R9.1 S13.2 | length 687.7
  Top Layer w18: R9.1 2609,888 2609,1174 2684.63,1249.63 2684.63,1259.47 2705.16,1280 S13.2
NetR10_1: R10.1 S14.2 | length 596.7
  Top Layer w18: R10.1 2647,827 2647,1022 2684.63,1059.63 2684.63,1069.47 2705.16,1090 S14.2
NetR11_1: R11.1 S15.2 | length 500
  Top Layer w18: R11.1 2579,660 2579,704 2715,840 S15.2
NetR12_1: R12.1 S16.2 | length 414.7
  Top Layer w18: R12.1 2579,561 2579,583.84 2705.16,710 S16.2
NetR13_1: R13.1 S17.2 | length 363.7
  Top Layer w18: R13.1 2513,318 S17.2
NetR14_1: R14.1 S18.2 | length 326
  Top Layer w18: R14.1 2604,219 S18.2
NetR15_1: R15.1 S19.2 | length 288.3
  Top Layer w18: R15.1 2455,140 S19.2
NetR20_1: R20.1 TF1.9 | length 198
  Top Layer w12: TF1.9 765.04,3584.96 R20.1
NetR21_1: R21.1 U3.2 | length 100.1
  Top Layer w12: R21.1@1552.6,3807.4 R21.1
  Top Layer w24: U3.2 R21.1@1552.6,3807.4
NetS1_2: S1.2 USB1.1
PA9: H17.1 H17.2 R6.2 R7.2 R8.2 R9.2 R10.2 R11.2 R12.2 R13.2 R14.2 R15.2 R16.2 | length 1355
  Top Layer w24: H17.2 H17.1 R16.2 R6.2 R7.2 R8.2 R9.2 R10.2 R11.2 R12.2 R13.2 R14.2 R15.2
PR0: C13.2 H13.6 U4.9 X1.2 | length 828.1
  Top Layer w9: 1350.71,1920.11 1351.52,1919.29 U4.9
  Top Layer w12: H13.6@650.2,2099.8 695,2055 C13.2 885,2050 X1.2 1038.63,1962 1308.81,1962 1350.71,1920.11
PR1: H13.3 U4.5 | length 1123.1
  Top Layer w9: U4.5 1451.03,1998.03 1459.97,2006.97 v1(1460,2025)
  Bottom Layer w12: H13.3 1255,2390 1460,2185 v1(1460,2025)
PR2: H13.4 U4.6 | length 1140.9
  Top Layer w9: U4.6 1488.35,1978.35 v1(1490,1980)
  Bottom Layer w12: H13.4 1281,2290 1410,2161 1410,2000.5 1432.15,1978.35 1488.35,1978.35 v1(1490,1980)
PR3: H13.5 U4.7 | length 1039.7
  Top Layer w9: U4.7 1445.34,1958.66 v1(1457,1947)
  Bottom Layer w12: H13.5 1314,2190 1372,2132 1372,1989 1414,1947 v1(1457,1947)
RTCVDD: C11.1 U4.4 | length 142.6
  Top Layer w9: 1368,2016.9 1368.82,2017.72 U4.4
  Top Layer w12: C11.1 1308.1,2016.9 1368,2016.9
SD_CLK: H4.2 R20.2 TF1.5 | length 1141.2
  Top Layer w12: TF1.5 840,3411.73 999.27,3411.73 1068,3343 1068,3222 H4.2
SD_CMD: H3.2 TF1.3 | length 1013.2
  Top Layer w12: TF1.3 736.88,3325.12 750,3312 750,3177 878,3049 1140.71,3049 H3.2
SD_DAT: H2.2 TF1.7 | length 1235.7
  Top Layer w12: TF1.7 602.35,3498.35 577,3473 577,3238 842,2973 1116.71,2973 H2.2
SPICS: H19.5 U2.1 | length 1052.4
  Top Layer w24: U2.1 315,252 367,200 690,200 760,270 760,550 H19.5
SPIDI: H19.6 U2.2 | length 759.4
  Top Layer w24: U2.2 365,280 394,251 665,251 712,298 712,498 H19.6
SPIDO: H19.7 U2.5 | length 254.5
  Top Layer w24: U2.5 465,626 540,551 559,551 H19.7
SPISCK: H19.8 U2.6 | length 364.1
  Top Layer w24: U2.6 415,595 H19.8
USBDM: U4.23 USB2.2 | length 2286.9
  Top Layer w9: U4.23 1663.39,1761.61 1693,1732 v1(1749,1732)
  Bottom Layer w12: v1(1749,1732) 2923,558 3365.27,558 3392.01,531.26 USB2.2
USBDP: U4.24 USB2.3 | length 2247.1
  Top Layer w9: U4.24 1683.07,1774.18 1697.26,1760 v1(1710,1760)
  Bottom Layer w12: v1(1710,1760) 1763,1760 2937,586 3368.01,586 3392.01,610 USB2.3
VCOM: C7.1 U4.36 | length 236.8
  Top Layer w9: U4.36 1769.12,2076.77 1780,2087.65
  Top Layer w12: 1780,2092 1780,2195 1805,2220 C7.1
VDDIO: C9.1 C22.2 C26.2 H1.7 H1.8 H13.1 H13.8 LCD1.6 R16.1 R18.2 S3.1 S5.1 S7.1 S9.1 U2.3 U2.7 U2.8 U4.3 | length 1163.6
  Top Layer w9: 1360,2040 1362.6,2037.4 U4.3
  Top Layer w12: C9.1 1320,2170 1331,2159 1331,2067.76 1358.76,2040 1359,2040
  Top Layer w24: C26.2 280,555 ; U2.8 315,590 280,555 ; U2.7 365,576 344,555 ; U2.3 415,484 344,555 ; C22.2 1787.99,3648.99 LCD1.6 1787.99,3477.01 v1(1795,3470) v1(1865,3470) ; 280,555 344,555
  other v1: 970,290 190,480 230,480 970,540 970,780 2450,1180 2420,1210 1240,2115 1285,2115 1235,2230 1270,2230 1300,2230 1010,3310 1010,3340
pads on no net: "S1. " ANT2. ANT2.2@268.98,1692.28 J1. J2. LCD1.10 LCD1.11 LCD1.15 LCD1.16 S1.0 S1.3 TF1.0 TF1.1 TF1.2 TF1.8 USB1.2 USB1.3
copper on no net: | length 484.3
  Top Layer w24: 3795.79,996.3 3894.21,996.3 3894.21,1283.7 3795.79,1283.7

## Polygon pours and split planes (outlines as drawn)
GND on Bottom Layer "GND_L04_P001" (solid, remove dead copper, pour order 1): 0,2690 370,2690 370,1760 295,1760 295,1485 0,1485 0,0 3937.01,0 3937.01,1850.39 3110.24,1850.39 2559.06,2401.57 2559.06,3937.01 0,3937.01
GND on Top Layer "GND_L01_P000" (solid, remove dead copper, pour order 0): 0,2690 370,2690 370,1758.65 295,1758.65 295,1485 0,1485 0,0 3937.01,0 3937.01,1023.62 3188.98,1023.62 3110.24,1102.36 3110.24,1850.39 2510,2450.63 2510,3937.01 0,3937.01
VDDIO on VDDIO (split plane): 3896.92,1689.83 3869.29,1662.2 3865.84,1658.26 3862.92,1653.9 3860.6,1649.2 3858.92,1644.23 3857.89,1639.09 3857.55,1633.86 3857.55,1476.38 3857.89,1471.15 3858.92,1466 3860.6,1461.04 3862.92,1456.34 3865.84,1451.98 3869.29,1448.03 3896.92,1420.4 3896.92,40.09 40.09,40.09 40.09,1485 370,1485 370,1760 370,2690 40.09,2690 40.09,3896.92 3896.92,3896.92
GND on GND (split plane): 3916.91,1681.55 3883.43,1648.07 3880.93,1645.02 3879.07,1641.55 3877.93,1637.78 3877.54,1633.86 3877.54,1476.38 3877.93,1472.46 3879.07,1468.69 3880.93,1465.21 3883.43,1462.17 3916.91,1428.68 3916.91,20.1 20.1,20.1 20.1,1485 295,1485 295,1760 370,1760 370,2690 20.1,2690 20.1,3916.91 3916.91,3916.91

## Keep-outs
Top Layer:
  rectangle: 1676,2109 1690,2170
  rectangle: 3370,70 3690,150
  rectangle: 2300,2645 2500,2850
  rectangle: 1922,2110 1987,2256
Bottom Layer:
  rectangle: 2300,2645 2500,2850
Keep-Out Layer:
  the board outline again, w24

## Other copper
Top Layer:
  rectangle net GND: 3390,950 3510,1015
  rectangle net GND: 270,1675 300,1710
  rectangle net VDDIO: 2410,1110 2460,1220
  rectangle net VDDIO: 950,180 1000,910
  rectangle net VDDIO: 180,470 240,540
  rectangle net VDDIO: 930,3300 1020,3360
  rectangle: 1630.51,3550 1660,3580
  rectangle net LDO_IN: 1285,3620 1365,3680
  rectangle net LDO_IN: 3386,1188 3486,1529
  region net VDDIO: 1225,2120 1225,2100 1300,2100 1300,2195 1315,2210 1315,2245 1220,2245 1220,2225 1250,2195 1250,2145
  region net LDO_IN: 3482,1188 3648,1188 3648,1266 3482,1432
  region net NetS1_2: 3672,1511 3672,1377 3720,1329 3720,1204 3741,1183 3741,1150 3709.16,1150 3681,1178.16 3681,1312 3640,1353 3640,1510 3641,1511 3671,1511
  text "2023.3.1" at 3382.59,81.23 h100
Bottom Layer:
  rectangle net LDO_IN: 3400,1320 3530,1450
GND (plane layer: these items are gaps in the copper):
  rectangle: 2300,2645 2500,2850
  region: 0,2690 370,2690 370,1760 295,1760 295,1485 0,1485
VDDIO (plane layer: these items are gaps in the copper):
  rectangle: 2300,2645 2500,2850
  region: 0,2690 370,2690 370,1760 370,1485 0,1485 0,1500

## Silkscreen, mask and mechanical layers (free items; w line width, h text height)
Top Overlay:
  lines w12: 130,1160 500,1160 500,1550 ; 310,2850 310,2950 ; 680,1130 880,1130 ; 710,2850 710,2950 ; 880,1020 880,1130 ; 880,1640 880,1130 ; 1130,2400 1840,2400 1840,2650 ; 1380,1270 1380,1300 1560,1300 1560,1610 1590,1610 ; 1540,2850 1540,3000 ; 1780,1270 1780,1610 1830,1610 ; 1870,1110 1930,1110
  text "GND" at 2530.34,3642.06 h100
  text "AUXL" at 2508.96,3549.11 h100
  text "AUXR" at 2493.31,3454.11 h100
  text "GND" at 2530.34,3352.06 h100
  text "A_EN" at 2495.32,3249.81 h100
  text "D_EN" at 2497.78,3159.46 h100
  text "IR" at 2571.74,3049.22 h100
  text "LCD" at 1774.39,3024.01 h100
  text "SD" at 1307.01,3019.43 h100
  text "+" at 1664.63,3019.46 h100
  text "MIC" at 2512.67,2949.22 h100
  text "RS" at 1613.03,2894.92 h60 r90
  text "CS" at 1703.03,2895.24 h60 r90
  text "A0" at 1803.37,2891.28 h60 r90
  text "GND" at 415.34,2887.06 h100
  text "DAT" at 1308.64,2884.39 h60 r90
  text "3.3V" at 129.22,2880.54 h100
  text "5V" at 764.47,2879.78 h100
  text "CLK" at 1508.28,2879.7 h60 r90
  text "CLK" at 1903.28,2879.7 h60 r90
  text "CMD" at 1408.62,2865.75 h60 r90
  text "DATA" at 2003.64,2859.22 h60 r90
  text "3.3V" at 429.22,2560.54 h100
  text "GND" at 405.34,2457.06 h100
  text "PB7" at 1365.44,2443.8 h100 r90
  text "PB5" at 1185.43,2442.51 h100 r90
  text "PB8" at 1455.43,2442.38 h100 r90
  text "PB9" at 1545.43,2442.24 h100 r90
  text "PB6" at 1275.44,2441.09 h100 r90
  text "PB11" at 1725.44,2430.2 h100 r90
  text "PB12" at 1815.44,2427.56 h100 r90
  text "PB10" at 1635.43,2423.22 h100 r90
  text "PR1" at 428.73,2359.43 h100
  text "PR2" at 426.09,2259.43 h100
  text "DACL" at 2061.42,2219.01 h100
  text "PR3" at 422.06,2160.12 h100
  text "DACR" at 2060.77,2108.94 h100
  text "PR0" at 421.75,2059.43 h100
  text "PB13" at 2097.31,2014.56 h100
  text "GND" at 405.34,1957.06 h100
  text "PA1" at 2097.31,1909.36 h100
  text "3.3V" at 419.22,1860.54 h100
  text "PA2" at 2097.31,1809.36 h100
  text "PA3" at 2097.31,1710.12 h100
  text "PA4" at 2097.31,1609.36 h100
  text "LED1" at 917.39,1579.01 h100
  text "PC5" at 1594.35,1579.43 h100
  text "PC1" at 1839.18,1579.43 h100
  text "PA9" at 2097.31,1509.36 h100
  text "LED2" at 914.75,1499.01 h100
  text "PC4" at 1594.18,1489.43 h100
  text "PA15" at 1832.01,1489.36 h100
  text "LED3" at 910.72,1419.64 h100
  text "PA10" at 2097.31,1419.36 h100
  text "PC3" at 1592.51,1400.12 h100
  text "PA14" at 1831.83,1399.36 h100
  text "LED4" at 912.39,1339.01 h100
  text "PA11" at 2097.31,1319.36 h100
  text "PC2" at 1596.54,1309.43 h100
  text "PC0" at 1832.2,1309.43 h100
  text "CS" at 950.34,1259.92 h100
  text "DI" at 944.41,1178.87 h100
  text "DO" at 941.43,1099.01 h100
  text "PA9" at 1669.44,1059.54 h100
  text "SCK" at 918.63,1019.85 h100
  text "K1v" at 1512.75,849.26 h100
  text "K2v" at 1509.42,749.26 h100
  text "K3v" at 1505.64,659.81 h100
  text "K4v" at 1507.51,559.26 h100
  text "K1g" at 1507.58,468.49 h100
  text "K2g" at 1514.25,358.49 h100
  text "K3g" at 1510.47,258.49 h100
  text "K4g" at 1512.34,158.49 h100
Mechanical 1:
  lines w12: 0,3937.01 0,2430 0,1480 0,0 3937.01,0 3937.01,1437.01 3897.64,1476.38 3897.64,1633.86 3937.01,1673.23 3937.01,3937.01 0,3937.01 ; 0,3937.01 0,3937.01

## Text inside footprints (layer, text, board x,y; h text height)
USB1: Top Overlay "USB" at 3835.83,1495 h40 r90
USB2: Top Overlay "1" at 3815,426.43 h30 r90; Top Overlay "2" at 3815,528.43 h30 r90; Top Overlay "3" at 3814,597.43 h30 r90; Top Overlay "4" at 3815,698.43 h30 r90